# KiCad board panel.kicad_pcb (continued)
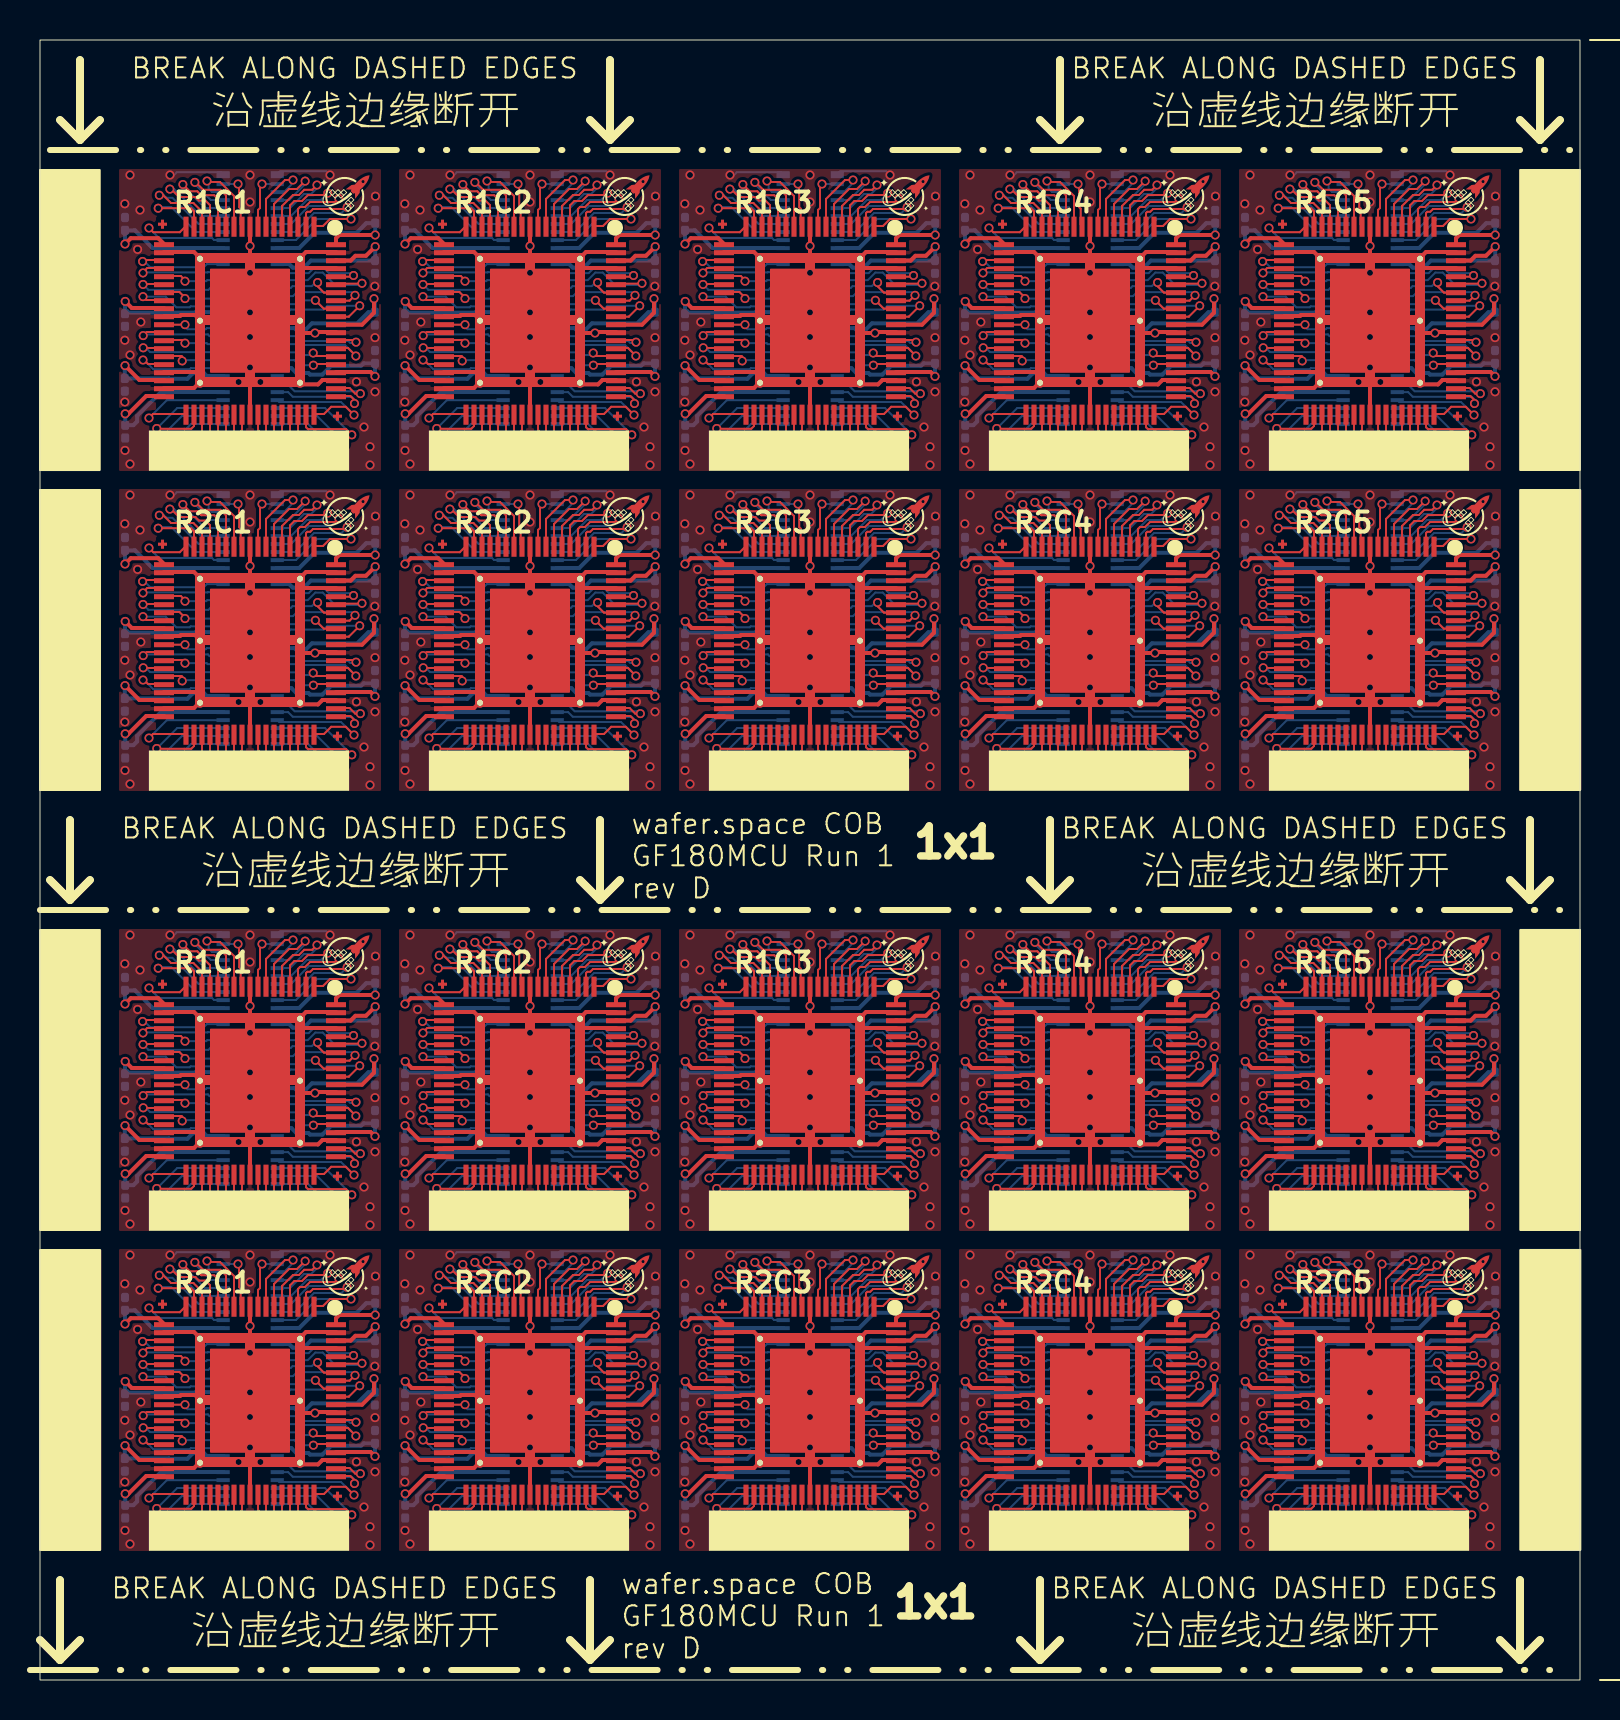
[diagram p0: board, top side]
## Routing (per net, layer and track width the routed paths; a pad name or vN(x,y) marks a point on that pad's centre or on a via; arc(x,y) is an arc through that point) (continued)
/pad_14: length 139.4
  Top w0.1: 22.1,34.7 22.1,35.42 21.67,35.85 20.55,35.85 20.16,36.24 v1(19.97,36.24) ; v1(19.97,74.24) 20.16,74.24 20.55,73.85 21.67,73.85 22.1,73.42 22.1,72.7 ; v1(47.97,74.24) 48.16,74.24 48.55,73.85 49.67,73.85 50.1,73.42 50.1,72.7 ; v1(33.97,58.24) 34.16,58.24 34.55,57.85 35.67,57.85 36.1,57.42 36.1,56.7 ; 36.1,34.7 36.1,35.42 35.67,35.85 34.55,35.85 34.16,36.24 v1(33.97,36.24) ; v1(47.97,58.24) 48.16,58.24 48.55,57.85 49.67,57.85 50.1,57.42 50.1,56.7 ; 64.1,72.7 64.1,73.42 63.67,73.85 62.55,73.85 62.16,74.24 v1(61.97,74.24) ; v1(5.97,36.24) 6.16,36.24 6.55,35.85 7.67,35.85 8.1,35.42 8.1,34.7 ; v1(19.97,58.24) 20.16,58.24 20.55,57.85 21.67,57.85 22.1,57.42 22.1,56.7 ; v1(33.97,74.24) 34.16,74.24 34.55,73.85 35.67,73.85 36.1,73.42 36.1,72.7 ; 50.1,34.7 50.1,35.42 49.67,35.85 48.55,35.85 48.16,36.24 v1(47.97,36.24) ; 22.1,18.7 22.1,19.42 21.67,19.85 20.55,19.85 20.16,20.24 v1(19.97,20.24) ; 8.1,72.7 8.1,73.42 7.67,73.85 6.55,73.85 6.16,74.24 v1(5.97,74.24) ; 64.1,56.7 64.1,57.42 63.67,57.85 62.55,57.85 62.16,58.24 v1(61.97,58.24) ; v1(5.97,20.24) 6.16,20.24 6.55,19.85 7.67,19.85 8.1,19.42 8.1,18.7 ; v1(5.97,58.24) 6.16,58.24 6.55,57.85 7.67,57.85 8.1,57.42 8.1,56.7 ; v1(33.97,20.24) 34.16,20.24 34.55,19.85 35.67,19.85 36.1,19.42 36.1,18.7 ; v1(61.97,20.24) 62.16,20.24 62.55,19.85 63.67,19.85 64.1,19.42 64.1,18.7 ; v1(47.97,20.24) 48.16,20.24 48.55,19.85 49.67,19.85 50.1,19.42 50.1,18.7 ; 64.1,34.7 64.1,35.42 63.67,35.85 62.55,35.85 62.16,36.24 v1(61.97,36.24)
  Bottom w0.1: 23.15,56.8 21.93,56.8 20.62,58.11 20.31,58.11 20.18,58.24 v1(19.97,58.24) ; v1(33.97,74.24) 34.18,74.24 34.31,74.11 34.62,74.11 35.93,72.8 37.15,72.8 ; 9.15,72.8 7.93,72.8 6.62,74.11 6.31,74.11 6.18,74.24 v1(5.97,74.24) ; v1(5.97,58.24) 6.18,58.24 6.31,58.11 6.62,58.11 7.93,56.8 9.15,56.8 ; v1(47.97,20.24) 48.18,20.24 48.31,20.11 48.62,20.11 49.93,18.8 51.15,18.8 ; v1(19.97,74.24) 20.18,74.24 20.31,74.11 20.62,74.11 21.93,72.8 23.15,72.8 ; v1(33.97,36.24) 34.18,36.24 34.31,36.11 34.62,36.11 35.93,34.8 37.15,34.8 ; 65.15,18.8 63.93,18.8 62.62,20.11 62.31,20.11 62.18,20.24 v1(61.97,20.24) ; 65.15,72.8 63.93,72.8 62.62,74.11 62.31,74.11 62.18,74.24 v1(61.97,74.24) ; 65.15,56.8 63.93,56.8 62.62,58.11 62.31,58.11 62.18,58.24 v1(61.97,58.24) ; v1(47.97,58.24) 48.18,58.24 48.31,58.11 48.62,58.11 49.93,56.8 51.15,56.8 ; 23.15,18.8 21.93,18.8 20.62,20.11 20.31,20.11 20.18,20.24 v1(19.97,20.24) ; v1(33.97,58.24) 34.18,58.24 34.31,58.11 34.62,58.11 35.93,56.8 37.15,56.8 ; 23.15,34.8 21.93,34.8 20.62,36.11 20.31,36.11 20.18,36.24 v1(19.97,36.24) ; v1(47.97,36.24) 48.18,36.24 48.31,36.11 48.62,36.11 49.93,34.8 51.15,34.8 ; 9.15,34.8 7.93,34.8 6.62,36.11 6.31,36.11 6.18,36.24 v1(5.97,36.24) ; v1(47.97,74.24) 48.18,74.24 48.31,74.11 48.62,74.11 49.93,72.8 51.15,72.8 ; v1(61.97,36.24) 62.18,36.24 62.31,36.11 62.62,36.11 63.93,34.8 65.15,34.8 ; 37.15,18.8 35.93,18.8 34.62,20.11 34.31,20.11 34.18,20.24 v1(33.97,20.24) ; v1(5.97,20.24) 6.18,20.24 6.31,20.11 6.62,20.11 7.93,18.8 9.15,18.8
/pad_15: length 127.4
  Top w0.1: 21.7,34.7 21.7,35.44 21.55,35.59 v1(19.91,35.59) ; 63.7,18.7 63.7,19.44 63.55,19.59 v1(61.91,19.59) ; 49.7,34.7 49.7,35.44 49.55,35.59 v1(47.91,35.59) ; 49.7,18.7 49.7,19.44 49.55,19.59 v1(47.91,19.59) ; v1(61.91,57.59) 63.55,57.59 63.7,57.44 63.7,56.7 ; 21.7,18.7 21.7,19.44 21.55,19.59 v1(19.91,19.59) ; v1(5.91,73.59) 7.55,73.59 7.7,73.44 7.7,72.7 ; 35.7,72.7 35.7,73.44 35.55,73.59 v1(33.91,73.59) ; 49.7,56.7 49.7,57.44 49.55,57.59 v1(47.91,57.59) ; v1(47.91,73.59) 49.55,73.59 49.7,73.44 49.7,72.7 ; 21.7,72.7 21.7,73.44 21.55,73.59 v1(19.91,73.59) ; v1(5.91,57.59) 7.55,57.59 7.7,57.44 7.7,56.7 ; 35.7,34.7 35.7,35.44 35.55,35.59 v1(33.91,35.59) ; 63.7,72.7 63.7,73.44 63.55,73.59 v1(61.91,73.59) ; v1(5.91,19.59) 7.55,19.59 7.7,19.44 7.7,18.7 ; 63.7,34.7 63.7,35.44 63.55,35.59 v1(61.91,35.59) ; v1(19.91,57.59) 21.55,57.59 21.7,57.44 21.7,56.7 ; 35.7,56.7 35.7,57.44 35.55,57.59 v1(33.91,57.59) ; 7.7,34.7 7.7,35.44 7.55,35.59 v1(5.91,35.59) ; 35.7,18.7 35.7,19.44 35.55,19.59 v1(33.91,19.59)
  Bottom w0.1: v1(5.91,73.59) 5.97,73.65 6.56,73.65 7.81,72.4 9.15,72.4 ; v1(33.91,19.59) 33.97,19.65 34.56,19.65 35.81,18.4 37.15,18.4 ; v1(47.91,57.59) 47.97,57.65 48.56,57.65 49.81,56.4 51.15,56.4 ; v1(33.91,73.59) 33.97,73.65 34.56,73.65 35.81,72.4 37.15,72.4 ; v1(5.91,57.59) 5.97,57.65 6.56,57.65 7.81,56.4 9.15,56.4 ; v1(61.91,57.59) 61.97,57.65 62.56,57.65 63.81,56.4 65.15,56.4 ; v1(19.91,19.59) 19.97,19.65 20.56,19.65 21.81,18.4 23.15,18.4 ; 23.15,34.4 21.81,34.4 20.56,35.65 19.97,35.65 v1(19.91,35.59) ; 51.15,18.4 49.81,18.4 48.56,19.65 47.97,19.65 v1(47.91,19.59) ; v1(61.91,73.59) 61.97,73.65 62.56,73.65 63.81,72.4 65.15,72.4 ; 51.15,72.4 49.81,72.4 48.56,73.65 47.97,73.65 v1(47.91,73.59) ; 37.15,56.4 35.81,56.4 34.56,57.65 33.97,57.65 v1(33.91,57.59) ; v1(61.91,19.59) 61.97,19.65 62.56,19.65 63.81,18.4 65.15,18.4 ; 65.15,34.4 63.81,34.4 62.56,35.65 61.97,35.65 v1(61.91,35.59) ; 23.15,72.4 21.81,72.4 20.56,73.65 19.97,73.65 v1(19.91,73.59) ; 23.15,56.4 21.81,56.4 20.56,57.65 19.97,57.65 v1(19.91,57.59) ; v1(5.91,35.59) 5.97,35.65 6.56,35.65 7.81,34.4 9.15,34.4 ; v1(47.91,35.59) 47.97,35.65 48.56,35.65 49.81,34.4 51.15,34.4 ; v1(5.91,19.59) 5.97,19.65 6.56,19.65 7.81,18.4 9.15,18.4 ; 37.15,34.4 35.81,34.4 34.56,35.65 33.97,35.65 v1(33.91,35.59)
/pad_16: length 120.2
  Top w0.1: v1(61.45,34.6) 61.66,34.39 62.99,34.39 63.3,34.7 ; v1(61.45,56.6) 61.66,56.39 62.99,56.39 63.3,56.7 ; 49.3,72.7 48.99,72.39 47.66,72.39 v1(47.45,72.6) ; 7.3,72.7 6.99,72.39 5.66,72.39 v1(5.45,72.6) ; v1(5.45,34.6) 5.66,34.39 6.99,34.39 7.3,34.7 ; 63.3,72.7 62.99,72.39 61.66,72.39 v1(61.45,72.6) ; 35.3,18.7 34.99,18.39 33.66,18.39 v1(33.45,18.6) ; v1(33.45,34.6) 33.66,34.39 34.99,34.39 35.3,34.7 ; 21.3,18.7 20.99,18.39 19.66,18.39 v1(19.45,18.6) ; 63.3,18.7 62.99,18.39 61.66,18.39 v1(61.45,18.6) ; v1(5.45,18.6) 5.66,18.39 6.99,18.39 7.3,18.7 ; 35.3,56.7 34.99,56.39 33.66,56.39 v1(33.45,56.6) ; v1(33.45,72.6) 33.66,72.39 34.99,72.39 35.3,72.7 ; v1(47.45,56.6) 47.66,56.39 48.99,56.39 49.3,56.7 ; v1(19.45,72.6) 19.66,72.39 20.99,72.39 21.3,72.7 ; v1(5.45,56.6) 5.66,56.39 6.99,56.39 7.3,56.7 ; v1(19.45,34.6) 19.66,34.39 20.99,34.39 21.3,34.7 ; 49.3,34.7 48.99,34.39 47.66,34.39 v1(47.45,34.6) ; 49.3,18.7 48.99,18.39 47.66,18.39 v1(47.45,18.6) ; 21.3,56.7 20.99,56.39 19.66,56.39 v1(19.45,56.6)
  Bottom w0.1: v1(19.45,18.6) 19.95,18.1 22.6,18.1 22.7,18 23.15,18 ; 51.15,18 50.7,18 50.6,18.1 47.95,18.1 v1(47.45,18.6) ; 65.15,72 64.7,72 64.6,72.1 61.95,72.1 v1(61.45,72.6) ; 65.15,18 64.7,18 64.6,18.1 61.95,18.1 v1(61.45,18.6) ; 9.15,72 8.7,72 8.6,72.1 5.95,72.1 v1(5.45,72.6) ; v1(47.45,72.6) 47.95,72.1 50.6,72.1 50.7,72 51.15,72 ; 9.15,18 8.7,18 8.6,18.1 5.95,18.1 v1(5.45,18.6) ; 37.15,34 36.7,34 36.6,34.1 33.95,34.1 v1(33.45,34.6) ; v1(47.45,56.6) 47.95,56.1 50.6,56.1 50.7,56 51.15,56 ; 65.15,56 64.7,56 64.6,56.1 61.95,56.1 v1(61.45,56.6) ; 37.15,72 36.7,72 36.6,72.1 33.95,72.1 v1(33.45,72.6) ; v1(5.45,34.6) 5.95,34.1 8.6,34.1 8.7,34 9.15,34 ; 23.15,72 22.7,72 22.6,72.1 19.95,72.1 v1(19.45,72.6) ; v1(33.45,18.6) 33.95,18.1 36.6,18.1 36.7,18 37.15,18 ; 37.15,56 36.7,56 36.6,56.1 33.95,56.1 v1(33.45,56.6) ; v1(19.45,56.6) 19.95,56.1 22.6,56.1 22.7,56 23.15,56 ; 23.15,34 22.7,34 22.6,34.1 19.95,34.1 v1(19.45,34.6) ; 9.15,56 8.7,56 8.6,56.1 5.95,56.1 v1(5.45,56.6) ; 65.15,34 64.7,34 64.6,34.1 61.95,34.1 v1(61.45,34.6) ; 51.15,34 50.7,34 50.6,34.1 47.95,34.1 v1(47.45,34.6)
/pad_19: length 106.8
  Top w0.1: v1(61.13,70.93) 61.2,71 62.2,71 ; v1(61.13,32.93) 61.2,33 62.2,33 ; 20.2,71 19.2,71 v1(19.13,70.93) ; v1(5.13,32.93) 5.2,33 6.2,33 ; v1(33.13,70.93) 33.2,71 34.2,71 ; v1(33.13,32.93) 33.2,33 34.2,33 ; v1(47.13,70.93) 47.2,71 48.2,71 ; v1(47.13,54.93) 47.2,55 48.2,55 ; 6.2,55 5.2,55 v1(5.13,54.93) ; v1(33.13,54.93) 33.2,55 34.2,55 ; v1(5.13,70.93) 5.2,71 6.2,71 ; 34.2,17 33.2,17 v1(33.13,16.93) ; v1(47.13,16.93) 47.2,17 48.2,17 ; v1(47.13,32.93) 47.2,33 48.2,33 ; v1(19.13,32.93) 19.2,33 20.2,33 ; 20.2,17 19.2,17 v1(19.13,16.93) ; 20.2,55 19.2,55 v1(19.13,54.93) ; v1(5.13,16.93) 5.2,17 6.2,17 ; 62.2,17 61.2,17 v1(61.13,16.93) ; v1(61.13,54.93) 61.2,55 62.2,55
  Bottom w0.1: U117.60 50.35,16.8 50.19,16.64 47.51,16.64 47.19,16.96 47.16,16.96 v1(47.13,16.93) ; U115.60 36.35,54.8 36.19,54.64 33.51,54.64 33.19,54.96 33.16,54.96 v1(33.13,54.93) ; v1(33.13,70.93) 33.16,70.96 33.19,70.96 33.51,70.64 36.19,70.64 36.35,70.8 U105#2.60 ; v1(19.13,32.93) 19.16,32.96 19.19,32.96 19.51,32.64 22.19,32.64 22.35,32.8 U103.60 ; v1(5.13,70.93) 5.16,70.96 5.19,70.96 5.51,70.64 8.19,70.64 8.35,70.8 U101.60 ; v1(33.13,16.93) 33.16,16.96 33.19,16.96 33.51,16.64 36.19,16.64 36.35,16.8 U115#2.60 ; v1(47.13,32.93) 47.16,32.96 47.19,32.96 47.51,32.64 50.19,32.64 50.35,32.8 U107#2.60 ; U105.60 36.35,32.8 36.19,32.64 33.51,32.64 33.19,32.96 33.16,32.96 v1(33.13,32.93) ; U117#2.60 50.35,54.8 50.19,54.64 47.51,54.64 47.19,54.96 47.16,54.96 v1(47.13,54.93) ; U107.60 50.35,70.8 50.19,70.64 47.51,70.64 47.19,70.96 47.16,70.96 v1(47.13,70.93) ; v1(61.13,54.93) 61.16,54.96 61.19,54.96 61.51,54.64 64.19,54.64 64.34,54.8 U119#2.60 ; v1(5.13,16.93) 5.16,16.96 5.19,16.96 5.51,16.64 8.19,16.64 8.35,16.8 U111#2.60 ; v1(5.13,54.93) 5.16,54.96 5.19,54.96 5.51,54.64 8.19,54.64 8.35,54.8 U111.60 ; U103#2.60 22.35,70.8 22.19,70.64 19.51,70.64 19.19,70.96 19.16,70.96 v1(19.13,70.93) ; v1(61.13,70.93) 61.16,70.96 61.19,70.96 61.51,70.64 64.19,70.64 64.34,70.8 U109.60 ; v1(5.13,32.93) 5.16,32.96 5.19,32.96 5.51,32.64 8.19,32.64 8.35,32.8 U101#2.60 ; U119.60 64.34,16.8 64.19,16.64 61.51,16.64 61.19,16.96 61.16,16.96 v1(61.13,16.93) ; v1(19.13,54.93) 19.16,54.96 19.19,54.96 19.51,54.64 22.19,54.64 22.35,54.8 U113#2.60 ; v1(61.13,32.93) 61.16,32.96 61.19,32.96 61.51,32.64 64.19,32.64 64.34,32.8 U109#2.60 ; v1(19.13,16.93) 19.16,16.96 19.19,16.96 19.51,16.64 22.19,16.64 22.35,16.8 U113.60
/pad_20: length 104.2
  Top w0.1: 62.2,16.6 61.36,16.6 61.15,16.39 v1(61.15,16.35) ; 6.2,16.6 5.36,16.6 5.15,16.39 v1(5.15,16.35) ; v1(61.15,32.35) 61.15,32.39 61.36,32.6 62.2,32.6 ; v1(19.15,32.35) 19.15,32.39 19.36,32.6 20.2,32.6 ; 48.2,54.6 47.36,54.6 47.15,54.39 v1(47.15,54.35) ; 34.2,16.6 33.36,16.6 33.15,16.39 v1(33.15,16.35) ; v1(19.15,16.35) 19.15,16.39 19.36,16.6 20.2,16.6 ; 6.2,32.6 5.36,32.6 5.15,32.39 v1(5.15,32.35) ; 20.2,70.6 19.36,70.6 19.15,70.39 v1(19.15,70.35) ; 34.2,54.6 33.36,54.6 33.15,54.39 v1(33.15,54.35) ; v1(19.15,54.35) 19.15,54.39 19.36,54.6 20.2,54.6 ; 62.2,54.6 61.36,54.6 61.15,54.39 v1(61.15,54.35) ; 34.2,32.6 33.36,32.6 33.15,32.39 v1(33.15,32.35) ; 48.2,16.6 47.36,16.6 47.15,16.39 v1(47.15,16.35) ; v1(47.15,70.35) 47.15,70.39 47.36,70.6 48.2,70.6 ; 6.2,70.6 5.36,70.6 5.15,70.39 v1(5.15,70.35) ; 62.2,70.6 61.36,70.6 61.15,70.39 v1(61.15,70.35) ; v1(47.15,32.35) 47.15,32.39 47.36,32.6 48.2,32.6 ; v1(5.15,54.35) 5.15,54.39 5.36,54.6 6.2,54.6 ; 34.2,70.6 33.36,70.6 33.15,70.39 v1(33.15,70.35)
  Bottom w0.1: 51.15,54.39 50.4,54.39 50.38,54.38 47.16,54.38 47.15,54.37 v1(47.15,54.35) ; 37.15,32.39 36.4,32.39 36.38,32.38 33.16,32.38 33.15,32.37 v1(33.15,32.35) ; 65.16,32.39 64.4,32.39 64.38,32.38 61.16,32.38 61.15,32.37 v1(61.15,32.35) ; v1(19.15,32.35) 19.15,32.37 19.16,32.38 22.38,32.38 22.4,32.39 23.15,32.39 ; v1(5.15,70.35) 5.15,70.37 5.16,70.38 8.38,70.38 8.4,70.4 U101.59 ; v1(61.15,54.35) 61.15,54.37 61.16,54.38 64.38,54.38 64.4,54.39 65.16,54.39 ; 9.15,16.39 8.4,16.39 8.38,16.38 5.16,16.38 5.15,16.37 v1(5.15,16.35) ; U109.59 64.4,70.4 64.38,70.38 61.16,70.38 61.15,70.37 v1(61.15,70.35) ; 37.15,16.39 36.4,16.39 36.38,16.38 33.16,16.38 33.15,16.37 v1(33.15,16.35) ; 65.16,16.39 64.4,16.39 64.38,16.38 61.16,16.38 61.15,16.37 v1(61.15,16.35) ; 9.15,32.39 8.4,32.39 8.38,32.38 5.16,32.38 5.15,32.37 v1(5.15,32.35) ; 51.15,16.39 50.4,16.39 50.38,16.38 47.16,16.38 47.15,16.37 v1(47.15,16.35) ; v1(47.15,32.35) 47.15,32.37 47.16,32.38 50.38,32.38 50.4,32.39 51.15,32.39 ; 37.15,54.39 36.4,54.39 36.38,54.38 33.16,54.38 33.15,54.37 v1(33.15,54.35) ; v1(19.15,70.35) 19.15,70.37 19.16,70.38 22.38,70.38 22.4,70.4 U103#2.59 ; U107.59 50.4,70.4 50.38,70.38 47.16,70.38 47.15,70.37 v1(47.15,70.35) ; v1(19.15,16.35) 19.15,16.37 19.16,16.38 22.38,16.38 22.4,16.39 23.15,16.39 ; v1(5.15,54.35) 5.15,54.37 5.16,54.38 8.38,54.38 8.4,54.39 9.15,54.39 ; v1(33.15,70.35) 33.15,70.37 33.16,70.38 36.38,70.38 36.4,70.4 U105#2.59 ; 23.15,54.39 22.4,54.39 22.38,54.38 19.16,54.38 19.15,54.37 v1(19.15,54.35)
/pad_21: length 62.3
  Top w0.1: v1(35.25,69.94) 35.25,69.99 35.04,70.2 34.2,70.2 ; 20.2,70.2 21.04,70.2 21.25,69.99 v1(21.25,69.94) ; 6.2,70.2 7.04,70.2 7.25,69.99 v1(7.25,69.94) ; 62.2,16.2 63.04,16.2 63.25,15.99 v1(63.25,15.94) ; 62.2,54.2 63.04,54.2 63.25,53.99 v1(63.25,53.94) ; v1(49.25,15.94) 49.25,15.99 49.04,16.2 48.2,16.2 ; v1(21.25,15.94) 21.25,15.99 21.04,16.2 20.2,16.2 ; 34.2,54.2 35.04,54.2 35.25,53.99 v1(35.25,53.94) ; 20.2,32.2 21.04,32.2 21.25,31.99 v1(21.25,31.94) ; v1(7.25,15.94) 7.25,15.99 7.04,16.2 6.2,16.2 ; v1(7.25,53.94) 7.25,53.99 7.04,54.2 6.2,54.2 ; v1(49.25,69.94) 49.25,69.99 49.04,70.2 48.2,70.2 ; v1(7.25,31.94) 7.25,31.99 7.04,32.2 6.2,32.2 ; 48.2,32.2 49.04,32.2 49.25,31.99 v1(49.25,31.94) ; v1(49.25,53.94) 49.25,53.99 49.04,54.2 48.2,54.2 ; 62.2,70.2 63.04,70.2 63.25,69.99 v1(63.25,69.94) ; 20.2,54.2 21.04,54.2 21.25,53.99 v1(21.25,53.94) ; 62.2,32.2 63.04,32.2 63.25,31.99 v1(63.25,31.94) ; v1(35.25,15.94) 35.25,15.99 35.04,16.2 34.2,16.2 ; v1(35.25,31.94) 35.25,31.99 35.04,32.2 34.2,32.2
  Bottom w0.1: U111#2.58 8.36,16 8.31,15.94 7.25,15.94 v1(7.25,15.94) ; U109#2.58 64.36,32 64.31,31.94 63.25,31.94 v1(63.25,31.94) ; U111.58 8.36,54 8.31,53.94 7.25,53.94 v1(7.25,53.94) ; U107#2.58 50.36,32 50.31,31.94 49.25,31.94 v1(49.25,31.94) ; v1(21.25,69.94) 21.25,69.94 22.31,69.94 22.36,70 U103#2.58 ; U113#2.58 22.36,54 22.31,53.94 21.25,53.94 v1(21.25,53.94) ; v1(21.25,31.94) 21.25,31.94 22.31,31.94 22.36,32 U103.58 ; v1(63.25,69.94) 63.25,69.94 64.31,69.94 64.36,70 U109.58 ; U117#2.58 50.36,54 50.31,53.94 49.25,53.94 v1(49.25,53.94) ; U115.58 36.36,54 36.31,53.94 35.25,53.94 v1(35.25,53.94) ; U115#2.58 36.36,16 36.31,15.94 35.25,15.94 v1(35.25,15.94) ; v1(35.25,69.94) 35.25,69.94 36.31,69.94 36.36,70 U105#2.58 ; U107.58 50.36,70 50.31,69.94 49.25,69.94 v1(49.25,69.94) ; v1(63.25,15.94) 63.25,15.94 64.31,15.94 64.36,16 U119.58 ; U119#2.58 64.36,54 64.31,53.94 63.25,53.94 v1(63.25,53.94) ; v1(7.25,69.94) 7.25,69.94 8.31,69.94 8.36,70 U101.58 ; U105.58 36.36,32 36.31,31.94 35.25,31.94 v1(35.25,31.94) ; v1(49.25,15.94) 49.25,15.94 50.31,15.94 50.36,16 U117.58 ; U113.58 22.36,16 22.31,15.94 21.25,15.94 v1(21.25,15.94) ; U101#2.58 8.36,32 8.31,31.94 7.25,31.94 v1(7.25,31.94)
/pad_22: length 104.2
  Top w0.1: 34.2,15.8 33.17,15.8 v1(33.15,15.78) ; v1(47.15,31.78) 47.17,31.8 48.2,31.8 ; 62.2,31.8 61.17,31.8 v1(61.15,31.78) ; v1(19.15,53.78) 19.17,53.8 20.2,53.8 ; 20.2,15.8 19.17,15.8 v1(19.15,15.78) ; v1(5.15,31.78) 5.17,31.8 6.2,31.8 ; 62.2,53.8 61.17,53.8 v1(61.15,53.78) ; v1(47.15,53.78) 47.17,53.8 48.2,53.8 ; v1(61.15,15.78) 61.17,15.8 62.2,15.8 ; v1(47.15,15.78) 47.17,15.8 48.2,15.8 ; v1(47.15,69.78) 47.17,69.8 48.2,69.8 ; v1(33.15,69.78) 33.17,69.8 34.2,69.8 ; 6.2,15.8 5.17,15.8 v1(5.15,15.78) ; v1(5.15,53.78) 5.17,53.8 6.2,53.8 ; v1(19.15,31.78) 19.17,31.8 20.2,31.8 ; v1(61.15,69.78) 61.17,69.8 62.2,69.8 ; v1(19.15,69.78) 19.17,69.8 20.2,69.8 ; v1(33.15,53.78) 33.17,53.8 34.2,53.8 ; v1(33.15,31.78) 33.17,31.8 34.2,31.8 ; 6.2,69.8 5.17,69.8 v1(5.15,69.78)
  Bottom w0.1: U107#2.57 50.51,31.59 50.42,31.51 47.42,31.51 v1(47.15,31.78) ; U113#2.57 22.51,53.59 22.42,53.51 19.42,53.51 v1(19.15,53.78) ; v1(47.15,69.78) 47.42,69.51 50.42,69.51 50.51,69.59 U107.57 ; U105#2.57 36.51,69.59 36.42,69.51 33.42,69.51 v1(33.15,69.78) ; U117#2.57 50.51,53.59 50.42,53.51 47.42,53.51 v1(47.15,53.78) ; U109#2.57 64.51,31.59 64.42,31.51 61.42,31.51 v1(61.15,31.78) ; U111#2.57 8.51,15.59 8.42,15.51 5.42,15.51 v1(5.15,15.78) ; v1(5.15,31.78) 5.42,31.51 8.42,31.51 8.51,31.59 U101#2.57 ; U103#2.57 22.51,69.59 22.42,69.51 19.42,69.51 v1(19.15,69.78) ; v1(61.15,53.78) 61.42,53.51 64.42,53.51 64.51,53.59 U119#2.57 ; U113.57 22.51,15.59 22.42,15.51 19.42,15.51 v1(19.15,15.78) ; U103.57 22.51,31.59 22.42,31.51 19.42,31.51 v1(19.15,31.78) ; U117.57 50.51,15.59 50.42,15.51 47.42,15.51 v1(47.15,15.78) ; v1(5.15,53.78) 5.42,53.51 8.42,53.51 8.51,53.59 U111.57 ; v1(33.15,31.78) 33.42,31.51 36.42,31.51 36.51,31.59 U105.57 ; U115#2.57 36.51,15.59 36.42,15.51 33.42,15.51 v1(33.15,15.78) ; v1(5.15,69.78) 5.42,69.51 8.42,69.51 8.51,69.59 U101.57 ; v1(33.15,53.78) 33.42,53.51 36.42,53.51 36.51,53.59 U115.57 ; U109.57 64.51,69.59 64.42,69.51 61.42,69.51 v1(61.15,69.78) ; v1(61.15,15.78) 61.42,15.51 64.42,15.51 64.51,15.59 U119.57
/pad_23: length 63.4
  Top w0.1: v1(35.25,69.07) 35.25,69.12 34.97,69.4 34.2,69.4 ; v1(21.25,53.07) 21.25,53.12 20.97,53.4 20.2,53.4 ; v1(49.25,53.07) 49.25,53.12 48.97,53.4 48.2,53.4 ; 34.2,15.4 34.97,15.4 35.25,15.12 v1(35.25,15.07) ; 62.2,31.4 62.97,31.4 63.25,31.12 v1(63.25,31.07) ; v1(35.25,31.07) 35.25,31.12 34.97,31.4 34.2,31.4 ; 6.2,53.4 6.97,53.4 7.25,53.12 v1(7.25,53.07) ; v1(7.25,31.07) 7.25,31.12 6.97,31.4 6.2,31.4 ; v1(49.25,31.07) 49.25,31.12 48.97,31.4 48.2,31.4 ; v1(21.25,31.07) 21.25,31.12 20.97,31.4 20.2,31.4 ; v1(63.25,15.07) 63.25,15.12 62.97,15.4 62.2,15.4 ; 20.2,69.4 20.97,69.4 21.25,69.12 v1(21.25,69.07) ; v1(21.25,15.07) 21.25,15.12 20.97,15.4 20.2,15.4 ; 62.2,69.4 62.97,69.4 63.25,69.12 v1(63.25,69.07) ; 48.2,15.4 48.97,15.4 49.25,15.12 v1(49.25,15.07) ; 62.2,53.4 62.97,53.4 63.25,53.12 v1(63.25,53.07) ; 48.2,69.4 48.97,69.4 49.25,69.12 v1(49.25,69.07) ; 6.2,69.4 6.97,69.4 7.25,69.12 v1(7.25,69.07) ; v1(7.25,15.07) 7.25,15.12 6.97,15.4 6.2,15.4 ; 34.2,53.4 34.97,53.4 35.25,53.12 v1(35.25,53.07)
  Bottom w0.1: v1(63.25,15.07) 64.6,15.07 64.72,15.2 U119.56 ; v1(49.25,15.07) 50.6,15.07 50.72,15.2 U117.56 ; v1(49.25,53.07) 50.6,53.07 50.72,53.2 U117#2.56 ; v1(21.25,69.07) 22.6,69.07 22.72,69.19 U103#2.56 ; v1(7.25,31.07) 8.6,31.07 8.72,31.2 U101#2.56 ; U101.56 8.72,69.19 8.6,69.07 v1(7.25,69.07) ; U109#2.56 64.72,31.2 64.6,31.07 v1(63.25,31.07) ; v1(35.25,53.07) 36.6,53.07 36.72,53.2 U115.56 ; v1(21.25,53.07) 22.6,53.07 22.72,53.2 U113#2.56 ; v1(49.25,69.07) 50.6,69.07 50.72,69.19 U107.56 ; U115#2.56 36.72,15.2 36.6,15.07 v1(35.25,15.07) ; U105#2.56 36.72,69.19 36.6,69.07 v1(35.25,69.07) ; v1(7.25,15.07) 8.6,15.07 8.72,15.2 U111#2.56 ; v1(49.25,31.07) 50.6,31.07 50.72,31.2 U107#2.56 ; U109.56 64.72,69.19 64.6,69.07 v1(63.25,69.07) ; v1(35.25,31.07) 36.6,31.07 36.72,31.2 U105.56 ; v1(21.25,31.07) 22.6,31.07 22.72,31.2 U103.56 ; v1(7.25,53.07) 8.6,53.07 8.72,53.2 U111.56 ; U119#2.56 64.72,53.2 64.6,53.07 v1(63.25,53.07) ; v1(21.25,15.07) 22.6,15.07 22.72,15.2 U113.56
/pad_24: length 108.2
  Top w0.1: 20.2,69 19.32,69 v1(19.15,69.17) ; v1(33.15,15.17) 33.32,15 34.2,15 ; v1(47.15,31.17) 47.32,31 48.2,31 ; v1(5.15,15.17) 5.32,15 6.2,15 ; v1(19.15,31.17) 19.32,31 20.2,31 ; v1(61.15,31.17) 61.32,31 62.2,31 ; v1(47.15,69.17) 47.32,69 48.2,69 ; 6.2,69 5.32,69 v1(5.15,69.17) ; v1(19.15,53.17) 19.32,53 20.2,53 ; v1(5.15,53.17) 5.32,53 6.2,53 ; v1(61.15,15.17) 61.32,15 62.2,15 ; v1(33.15,69.17) 33.32,69 34.2,69 ; v1(33.15,53.17) 33.32,53 34.2,53 ; 48.2,53 47.32,53 v1(47.15,53.17) ; 62.2,53 61.32,53 v1(61.15,53.17) ; v1(47.15,15.17) 47.32,15 48.2,15 ; 62.2,69 61.32,69 v1(61.15,69.17) ; v1(33.15,31.17) 33.32,31 34.2,31 ; 20.2,15 19.32,15 v1(19.15,15.17) ; 6.2,31 5.32,31 v1(5.15,31.17)
  Bottom w0.1: v1(61.15,69.17) 61.32,69.17 62.28,69.17 62.81,68.64 63.49,68.64 63.54,68.69 64.83,68.69 64.94,68.8 U109.55 ; v1(33.15,69.17) 33.32,69.17 34.28,69.17 34.81,68.64 35.49,68.64 35.54,68.69 36.83,68.69 36.94,68.8 U105#2.55 ; v1(19.15,53.17) 19.32,53.17 20.28,53.17 20.81,52.64 21.49,52.64 21.54,52.69 22.83,52.69 22.94,52.8 U113#2.55 ; U115.55 36.94,52.8 36.83,52.69 35.54,52.69 35.49,52.64 34.81,52.64 34.28,53.17 33.32,53.17 v1(33.15,53.17) ; v1(47.15,31.17) 47.32,31.17 48.28,31.17 48.81,30.64 49.49,30.64 49.54,30.69 50.83,30.69 50.94,30.8 U107#2.55 ; U101#2.55 8.94,30.8 8.83,30.69 7.54,30.69 7.49,30.64 6.81,30.64 6.28,31.17 5.32,31.17 v1(5.15,31.17) ; v1(19.15,31.17) 19.32,31.17 20.28,31.17 20.81,30.64 21.49,30.64 21.54,30.69 22.83,30.69 22.94,30.8 U103.55 ; U119.55 64.94,14.8 64.83,14.69 63.54,14.69 63.49,14.64 62.81,14.64 62.28,15.17 61.32,15.17 v1(61.15,15.17) ; U103#2.55 22.94,68.8 22.83,68.69 21.54,68.69 21.49,68.64 20.81,68.64 20.28,69.17 19.32,69.17 v1(19.15,69.17) ; U107.55 50.94,68.8 50.83,68.69 49.54,68.69 49.49,68.64 48.81,68.64 48.28,69.17 47.32,69.17 v1(47.15,69.17) ; U117.55 50.94,14.8 50.83,14.69 49.54,14.69 49.49,14.64 48.81,14.64 48.28,15.17 47.32,15.17 v1(47.15,15.17) ; v1(5.15,15.17) 5.32,15.17 6.28,15.17 6.81,14.64 7.49,14.64 7.54,14.69 8.83,14.69 8.94,14.8 U111#2.55 ; U111.55 8.94,52.8 8.83,52.69 7.54,52.69 7.49,52.64 6.81,52.64 6.28,53.17 5.32,53.17 v1(5.15,53.17) ; U101.55 8.94,68.8 8.83,68.69 7.54,68.69 7.49,68.64 6.81,68.64 6.28,69.17 5.32,69.17 v1(5.15,69.17) ; v1(47.15,53.17) 47.32,53.17 48.28,53.17 48.81,52.64 49.49,52.64 49.54,52.69 50.83,52.69 50.94,52.8 U117#2.55 ; v1(61.15,31.17) 61.32,31.17 62.28,31.17 62.81,30.64 63.49,30.64 63.54,30.69 64.83,30.69 64.94,30.8 U109#2.55 ; v1(19.15,15.17) 19.32,15.17 20.28,15.17 20.81,14.64 21.49,14.64 21.54,14.69 22.83,14.69 22.94,14.8 U113.55 ; U105.55 36.94,30.8 36.83,30.69 35.54,30.69 35.49,30.64 34.81,30.64 34.28,31.17 33.32,31.17 v1(33.15,31.17) ; v1(33.15,15.17) 33.32,15.17 34.28,15.17 34.81,14.64 35.49,14.64 35.54,14.69 36.83,14.69 36.94,14.8 U115#2.55 ; U119#2.55 64.94,52.8 64.83,52.69 63.54,52.69 63.49,52.64 62.81,52.64 62.28,53.17 61.32,53.17 v1(61.15,53.17)
/pad_27: length 62.9
  Top w0.1: v1(35.25,51.77) 34.24,51.77 34.2,51.8 ; v1(49.25,29.77) 48.24,29.77 48.2,29.8 ; 6.2,51.8 6.24,51.77 v1(7.25,51.77) ; v1(63.25,51.77) 62.24,51.77 62.2,51.8 ; v1(49.25,51.77) 48.24,51.77 48.2,51.8 ; 34.2,29.8 34.24,29.77 v1(35.25,29.77) ; 20.2,29.8 20.24,29.77 v1(21.25,29.77) ; 48.2,13.8 48.24,13.77 v1(49.25,13.77) ; 6.2,67.8 6.24,67.77 v1(7.25,67.77) ; v1(21.25,51.77) 20.24,51.77 20.2,51.8 ; 20.2,13.8 20.24,13.77 v1(21.25,13.77) ; 6.2,29.8 6.24,29.77 v1(7.25,29.77) ; 62.2,29.8 62.24,29.77 v1(63.25,29.77) ; v1(35.25,13.77) 34.24,13.77 34.2,13.8 ; v1(49.25,67.77) 48.24,67.77 48.2,67.8 ; v1(63.25,13.77) 62.24,13.77 62.2,13.8 ; v1(63.25,67.77) 62.24,67.77 62.2,67.8 ; v1(7.25,13.77) 6.24,13.77 6.2,13.8 ; v1(21.25,67.77) 20.24,67.77 20.2,67.8 ; v1(35.25,67.77) 34.24,67.77 34.2,67.8
  Bottom w0.1: v1(21.25,13.77) 21.25,13.67 21.38,13.54 22.29,13.54 22.35,13.59 U113.52 ; U107#2.52 50.35,29.59 50.29,29.54 49.38,29.54 49.25,29.67 v1(49.25,29.77) ; U109.52 64.34,67.59 64.29,67.54 63.38,67.54 63.25,67.66 v1(63.25,67.77) ; v1(21.25,29.77) 21.25,29.67 21.38,29.54 22.29,29.54 22.35,29.59 U103.52 ; U119#2.52 64.34,51.59 64.29,51.54 63.38,51.54 63.25,51.67 v1(63.25,51.77) ; U101.52 8.35,67.59 8.29,67.54 7.38,67.54 7.25,67.66 v1(7.25,67.77) ; v1(7.25,29.77) 7.25,29.67 7.38,29.54 8.29,29.54 8.35,29.59 U101#2.52 ; U117.52 50.35,13.59 50.29,13.54 49.38,13.54 49.25,13.67 v1(49.25,13.77) ; v1(35.25,29.77) 35.25,29.67 35.38,29.54 36.29,29.54 36.35,29.59 U105.52 ; U107.52 50.35,67.59 50.29,67.54 49.38,67.54 49.25,67.66 v1(49.25,67.77) ; U105#2.52 36.35,67.59 36.29,67.54 35.38,67.54 35.25,67.66 v1(35.25,67.77) ; v1(7.25,13.77) 7.25,13.67 7.38,13.54 8.29,13.54 8.35,13.59 U111#2.52 ; U111.52 8.35,51.59 8.29,51.54 7.38,51.54 7.25,51.67 v1(7.25,51.77) ; U113#2.52 22.35,51.59 22.29,51.54 21.38,51.54 21.25,51.67 v1(21.25,51.77) ; v1(35.25,51.77) 35.25,51.67 35.38,51.54 36.29,51.54 36.35,51.59 U115.52 ; v1(63.25,13.77) 63.25,13.67 63.38,13.54 64.29,13.54 64.34,13.59 U119.52 ; v1(21.25,67.77) 21.25,67.66 21.38,67.54 22.29,67.54 22.35,67.59 U103#2.52 ; v1(49.25,51.77) 49.25,51.67 49.38,51.54 50.29,51.54 50.35,51.59 U117#2.52 ; U115#2.52 36.35,13.59 36.29,13.54 35.38,13.54 35.25,13.67 v1(35.25,13.77) ; U109#2.52 64.34,29.59 64.29,29.54 63.38,29.54 63.25,29.67 v1(63.25,29.77)
/pad_28: length 103.4
  Top w0.1: 34.2,13.4 33.34,13.4 v1(33.16,13.22) ; v1(19.16,29.22) 19.34,29.4 20.2,29.4 ; 20.2,67.4 19.34,67.4 v1(19.16,67.22) ; v1(5.16,13.22) 5.34,13.4 6.2,13.4 ; 34.2,67.4 33.34,67.4 v1(33.16,67.22) ; 62.2,13.4 61.34,13.4 v1(61.16,13.22) ; v1(61.16,51.22) 61.34,51.4 62.2,51.4 ; 6.2,51.4 5.34,51.4 v1(5.16,51.22) ; 6.2,29.4 5.34,29.4 v1(5.16,29.22) ; 20.2,13.4 19.34,13.4 v1(19.16,13.22) ; 48.2,67.4 47.34,67.4 v1(47.16,67.22) ; 62.2,29.4 61.34,29.4 v1(61.16,29.22) ; v1(61.16,67.22) 61.34,67.4 62.2,67.4 ; 34.2,29.4 33.34,29.4 v1(33.16,29.22) ; 48.2,51.4 47.34,51.4 v1(47.16,51.22) ; 34.2,51.4 33.34,51.4 v1(33.16,51.22) ; v1(47.16,13.22) 47.34,13.4 48.2,13.4 ; 6.2,67.4 5.34,67.4 v1(5.16,67.22) ; v1(19.16,51.22) 19.34,51.4 20.2,51.4 ; 48.2,29.4 47.34,29.4 v1(47.16,29.22)
  Bottom w0.1: v1(61.16,29.22) 61.21,29.22 61.27,29.28 64.4,29.28 64.48,29.2 U109#2.51 ; v1(47.16,29.22) 47.21,29.22 47.27,29.28 50.4,29.28 50.48,29.2 U107#2.51 ; v1(61.16,51.22) 61.21,51.22 61.27,51.28 64.4,51.28 64.48,51.2 U119#2.51 ; U109.51 64.48,67.19 64.4,67.28 61.27,67.28 61.21,67.22 v1(61.16,67.22) ; U113#2.51 22.48,51.2 22.4,51.28 19.27,51.28 19.21,51.22 v1(19.16,51.22) ; U115.51 36.48,51.2 36.4,51.28 33.27,51.28 33.21,51.22 v1(33.16,51.22) ; U111.51 8.48,51.2 8.4,51.28 5.27,51.28 5.21,51.22 v1(5.16,51.22) ; v1(5.16,13.22) 5.21,13.22 5.27,13.28 8.4,13.28 8.48,13.2 U111#2.51 ; U115#2.51 36.48,13.2 36.4,13.28 33.27,13.28 33.21,13.22 v1(33.16,13.22) ; U117.51 50.48,13.2 50.4,13.28 47.27,13.28 47.21,13.22 v1(47.16,13.22) ; U119.51 64.48,13.2 64.4,13.28 61.27,13.28 61.21,13.22 v1(61.16,13.22) ; U105.51 36.48,29.2 36.4,29.28 33.27,29.28 33.21,29.22 v1(33.16,29.22) ; U105#2.51 36.48,67.19 36.4,67.28 33.27,67.28 33.21,67.22 v1(33.16,67.22) ; v1(19.16,29.22) 19.21,29.22 19.27,29.28 22.4,29.28 22.48,29.2 U103.51 ; U117#2.51 50.48,51.2 50.4,51.28 47.27,51.28 47.21,51.22 v1(47.16,51.22) ; v1(5.16,29.22) 5.21,29.22 5.27,29.28 8.4,29.28 8.48,29.2 U101#2.51 ; U103#2.51 22.48,67.19 22.4,67.28 19.27,67.28 19.21,67.22 v1(19.16,67.22) ; U107.51 50.48,67.19 50.4,67.28 47.27,67.28 47.21,67.22 v1(47.16,67.22) ; U101.51 8.48,67.19 8.4,67.28 5.27,67.28 5.21,67.22 v1(5.16,67.22) ; U113.51 22.48,13.2 22.4,13.28 19.27,13.28 19.21,13.22 v1(19.16,13.22)